# Altium PCB Proyecto_0.PcbDoc (part 2 of 3) (continued)
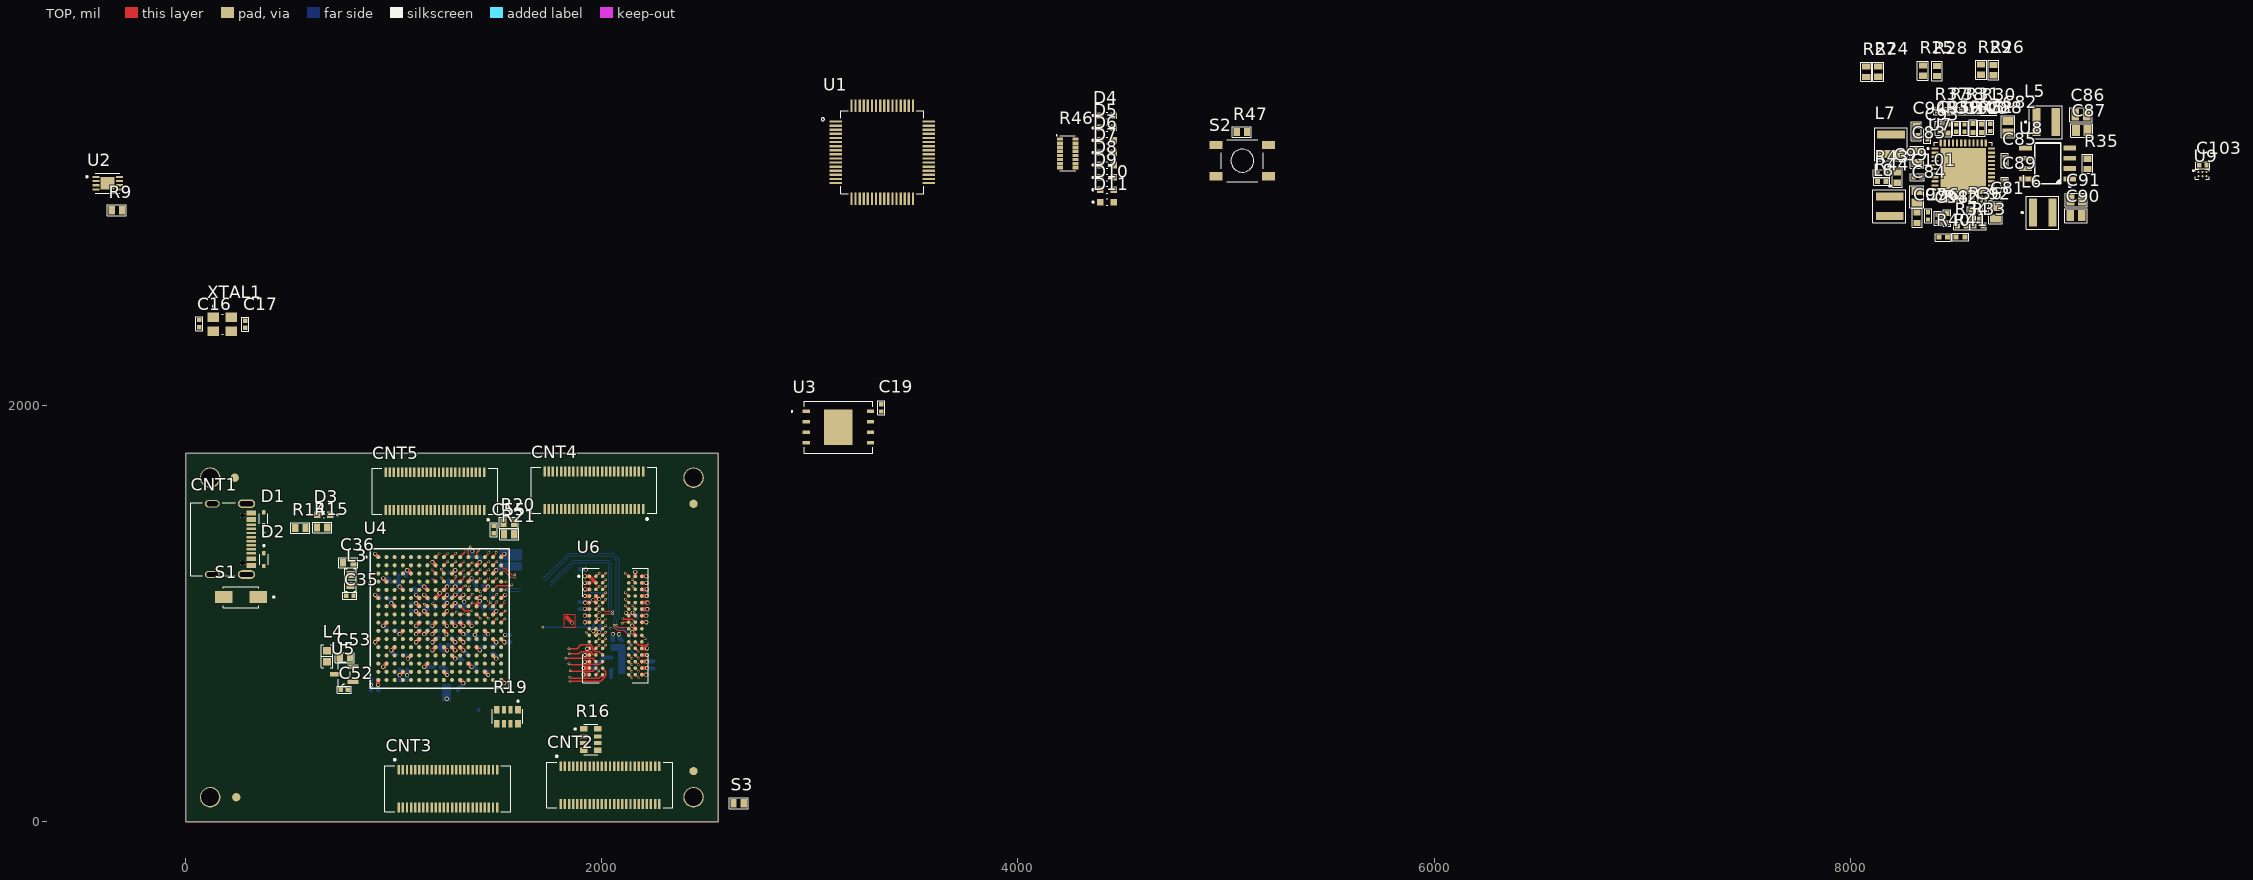
[diagram p0: TOP view]
## Components (designator, comment, footprint, x,y, rotation, side; value= is the part's Value field where it differs from the comment) (continued)
R33 "2.49k" RES0402 8615.72,2862 r0 top
R34 "10k" RES0402 8535.72,2862 r180 top
R35 "47 K" RES0603 9140,3162 r90 top
R36 "10k" RES0402 8580.61,2917.68 r90 top
R37 "12.7k" RES0402 8440.28,3416 r180 top
R38 "10.2k" RES0402 8513.72,3416 r0 top
R39 "10k" RES0402 8469,3332 r270 top
R40 "6.65k" RES0402 8447,2809 r180 top
R41 "10k" RES0402 8530,2810 r0 top
R42 "10k" RES0402 8464,2901.96 r90 top
R43 "4.99k" RES0402 8150.61,3116 r0 top
R44 "1.91k" RES0402 8151.72,3077 r0 top
R45 "31.6k" RES0402 8589,3334 r270 top
R46 "330" ArrayResistor-1506 4240,3212 r0 top value="330 Ohms"
R47 "10 K" RES0603 5076,3315 r180 top
R48 "240" RES0603 2282.39,847 r0 bottom
S1 "SK34A" "Diode SMA-2" 266,1079.97 r180 top
S2 "PTS526 SK15 SMTR2 LFS" "Push Button" 5078,3177 r0 top
S3 "PTSLR06038V050" PTSLR0603 2657.9,89.39 r0 top
U1 "FT2232HL" LQPF-64 3347.59,3217.36 r0 top
U2 "93C56B" DFN-8 -374.58,3069 r0 top
U3 "W25N04KVZEIR" WSON-8 3137,1897 r0 top
U4 "XC7A35TFTG256" BGA-256 1221.16,976.72 r0 top
U5 "REF3012" SOT23-3 762,709 r180 top
U6 "AS4C256M16D3LC" FBGA-96 2066.51,943.26 r0 top
U7 "ADP5052" LFCSP-48 8543,3127 r0 top
U8 "FDS8949" SOIC8 8949,3164 r180 top
U9 "BD2204GUL" "UFBGA-6 (VCSP50L1)" 9692.55,3112.56 r0 top
XTAL1 "12 MHz" XTAL_ABM8G 176.97,2391 r0 top

## Footprints (in the part's own frame and the unit in brackets; to place one, negate y for a bottom-side part, rotate by r counter-clockwise, add the part's x,y. Pads: shape width x height; smd on the part's side, far side on the other; paste and mask are expansions set on the pad)
0603_LED [mm] "Led 0805"
  rect 0.8x0.8 smd: A(-0.8,0) C(0.8,0)
  silkscreen extent -1.8,-0.4 0.08,0.4, body extent -0.8,-0.4 0.8,0.4, height 0.8
528850574 [mm] "Connector 50 pins"
  rect 0.3x1.2 smd: 1(-6,2.3) 2(-5.5,2.3) 3(-5,2.3) 4(-4.5,2.3) 5(-4,2.3) 6(-3.5,2.3) 7(-3,2.3) 8(-2.5,2.3) 9(-2,2.3) 10(-1.5,2.3) 11(-1,2.3) 12(-0.5,2.3) 13(0,2.3) 14(0.5,2.3) 15(1,2.3) 16(1.5,2.3) 17(2,2.3) 18(2.5,2.3) 19(3,2.3) 20(3.5,2.3) 21(4,2.3) 22(4.5,2.3) 23(5,2.3) 24(5.5,2.3) 25(6,2.3) 26(6,-2.3) 27(5.5,-2.3) 28(5,-2.3) 29(4.5,-2.3) 30(4,-2.3) 31(3.5,-2.3) 32(3,-2.3) 33(2.5,-2.3) 34(2,-2.3) 35(1.5,-2.3) 36(1,-2.3) 37(0.5,-2.3) 38(0,-2.3) 39(-0.5,-2.3) 40(-1,-2.3) 41(-1.5,-2.3) 42(-2,-2.3) 43(-2.5,-2.3) 44(-3,-2.3) 45(-3.5,-2.3) 46(-4,-2.3) 47(-4.5,-2.3) 48(-5,-2.3) 49(-5.5,-2.3) 50(-6,-2.3)
  silkscreen extent -7.7,-2.8 7.67,3.61, body extent -7.55,-2.65 7.55,2.65, height 2.1
ArrayResistor-1206 [mm]
  rect 0.93x0.68 smd: 1(-0.895,1.275) 4(-0.895,-1.325) 5(0.845,-1.325) 8(0.845,1.275)
  rect 0.93x0.48 smd: 2(-0.895,0.375) 3(-0.895,-0.425) 6(0.845,-0.425) 7(0.845,0.375)
  silkscreen extent -2.03,-1.88 0.85,1.83, body extent -0.83,-1.63 0.77,1.57, height 0.6
ArrayResistor-1506 [mm]
  rect 0.75x0.4 smd: 1(-0.95,1.75) 2(-0.95,1.25) 3(-0.95,0.75) 4(-0.95,0.25) 5(-0.95,-0.25) 6(-0.95,-0.75) 7(-0.95,-1.25) 8(-0.95,-1.75) 9(0.95,-1.75) 10(0.95,-1.25) 11(0.95,-0.75) 12(0.95,-0.25) 13(0.95,0.25) 14(0.95,0.75) 15(0.95,1.25) 16(0.95,1.75)
  silkscreen extent -1.42,-2.13 0.93,2.26, body extent -0.8,-1.9 0.8,1.9, height 0.55
BGA-256 [mm] "BGA-256"
  round 0.5 smd: A1(-7.5,7.5) A2(-6.5,7.5) A3(-5.5,7.5) A4(-4.5,7.5) A5(-3.5,7.5) A6(-2.5,7.5) A7(-1.5,7.5) A8(-0.5,7.5) A9(0.5,7.5) A10(1.5,7.5) A11(2.5,7.5) A12(3.5,7.5) A13(4.5,7.5) A14(5.5,7.5) A15(6.5,7.5) A16(7.5,7.5) B1(-7.5,6.5) B2(-6.5,6.5) B3(-5.5,6.5) B4(-4.5,6.5) B5(-3.5,6.5) B6(-2.5,6.5) B7(-1.5,6.5) B8(-0.5,6.5) B9(0.5,6.5) B10(1.5,6.5) B11(2.5,6.5) B12(3.5,6.5) B13(4.5,6.5) B14(5.5,6.5) B15(6.5,6.5) B16(7.5,6.5) C1(-7.5,5.5) C2(-6.5,5.5) C3(-5.5,5.5) C4(-4.5,5.5) C5(-3.5,5.5) C6(-2.5,5.5) C7(-1.5,5.5) C8(-0.5,5.5) C9(0.5,5.5) C10(1.5,5.5) C11(2.5,5.5) C12(3.5,5.5) C13(4.5,5.5) C14(5.5,5.5) C15(6.5,5.5) C16(7.5,5.5) D1(-7.5,4.5) D2(-6.5,4.5) D3(-5.5,4.5) D4(-4.5,4.5) D5(-3.5,4.5) D6(-2.5,4.5) D7(-1.5,4.5) D8(-0.5,4.5) D9(0.5,4.5) D10(1.5,4.5) D11(2.5,4.5) D12(3.5,4.5) D13(4.5,4.5) D14(5.5,4.5) D15(6.5,4.5) D16(7.5,4.5) E1(-7.5,3.5) E2(-6.5,3.5) E3(-5.5,3.5) E4(-4.5,3.5) E5(-3.5,3.5) E6(-2.5,3.5) E7(-1.5,3.5) E8(-0.5,3.5) E9(0.5,3.5) E10(1.5,3.5) E11(2.5,3.5) E12(3.5,3.5) E13(4.5,3.5) E14(5.5,3.5) E15(6.5,3.5) E16(7.5,3.5) F1(-7.5,2.5) F2(-6.5,2.5) F3(-5.5,2.5) F4(-4.5,2.5) F5(-3.5,2.5) F6(-2.5,2.5) F7(-1.5,2.5) F8(-0.5,2.5) F9(0.5,2.5) F10(1.5,2.5) F11(2.5,2.5) F12(3.5,2.5) F13(4.5,2.5) F14(5.5,2.5) F15(6.5,2.5) F16(7.5,2.5) G1(-7.5,1.5) G2(-6.5,1.5) G3(-5.5,1.5) G4(-4.5,1.5) G5(-3.5,1.5) G6(-2.5,1.5) G7(-1.5,1.5) G8(-0.5,1.5) G9(0.5,1.5) G10(1.5,1.5) G11(2.5,1.5) G12(3.5,1.5) G13(4.5,1.5) G14(5.5,1.5) G15(6.5,1.5) G16(7.5,1.5) H1(-7.5,0.5) H2(-6.5,0.5) H3(-5.5,0.5) H4(-4.5,0.5) H5(-3.5,0.5) H6(-2.5,0.5) H7(-1.5,0.5) H8(-0.5,0.5) H9(0.5,0.5) H10(1.5,0.5) H11(2.5,0.5) H12(3.5,0.5) H13(4.5,0.5) H14(5.5,0.5) H15(6.5,0.5) H16(7.5,0.5) J1(-7.5,-0.5) J2(-6.5,-0.5) J3(-5.5,-0.5) J4(-4.5,-0.5) J5(-3.5,-0.5) J6(-2.5,-0.5) J7(-1.5,-0.5) J8(-0.5,-0.5) J9(0.5,-0.5) J10(1.5,-0.5) J11(2.5,-0.5) J12(3.5,-0.5) J13(4.5,-0.5) J14(5.5,-0.5) J15(6.5,-0.5) J16(7.5,-0.5) K1(-7.5,-1.5) K2(-6.5,-1.5) K3(-5.5,-1.5) K4(-4.5,-1.5) K5(-3.5,-1.5) K6(-2.5,-1.5) K7(-1.5,-1.5) K8(-0.5,-1.5) K9(0.5,-1.5) K10(1.5,-1.5) K11(2.5,-1.5) K12(3.5,-1.5) K13(4.5,-1.5) K14(5.5,-1.5) K15(6.5,-1.5) K16(7.5,-1.5) L1(-7.5,-2.5) L2(-6.5,-2.5) L3(-5.5,-2.5) L4(-4.5,-2.5) L5(-3.5,-2.5) L6(-2.5,-2.5) L7(-1.5,-2.5) L8(-0.5,-2.5) L9(0.5,-2.5) L10(1.5,-2.5) L11(2.5,-2.5) L12(3.5,-2.5) L13(4.5,-2.5) L14(5.5,-2.5) L15(6.5,-2.5) L16(7.5,-2.5) M1(-7.5,-3.5) M2(-6.5,-3.5) M3(-5.5,-3.5) M4(-4.5,-3.5) M5(-3.5,-3.5) M6(-2.5,-3.5) M7(-1.5,-3.5) M8(-0.5,-3.5) M9(0.5,-3.5) M10(1.5,-3.5) M11(2.5,-3.5) M12(3.5,-3.5) M13(4.5,-3.5) M14(5.5,-3.5) M15(6.5,-3.5) M16(7.5,-3.5) N1(-7.5,-4.5) N2(-6.5,-4.5) N3(-5.5,-4.5) N4(-4.5,-4.5) N5(-3.5,-4.5) N6(-2.5,-4.5) N7(-1.5,-4.5) N8(-0.5,-4.5) N9(0.5,-4.5) N10(1.5,-4.5) N11(2.5,-4.5) N12(3.5,-4.5) N13(4.5,-4.5) N14(5.5,-4.5) N15(6.5,-4.5) N16(7.5,-4.5) P1(-7.5,-5.5) P2(-6.5,-5.5) P3(-5.5,-5.5) P4(-4.5,-5.5) P5(-3.5,-5.5) P6(-2.5,-5.5) P7(-1.5,-5.5) P8(-0.5,-5.5) P9(0.5,-5.5) P10(1.5,-5.5) P11(2.5,-5.5) P12(3.5,-5.5) P13(4.5,-5.5) P14(5.5,-5.5) P15(6.5,-5.5) P16(7.5,-5.5) R1(-7.5,-6.5) R2(-6.5,-6.5) R3(-5.5,-6.5) R4(-4.5,-6.5) R5(-3.5,-6.5) R6(-2.5,-6.5) R7(-1.5,-6.5) R8(-0.5,-6.5) R9(0.5,-6.5) R10(1.5,-6.5) R11(2.5,-6.5) R12(3.5,-6.5) R13(4.5,-6.5) R14(5.5,-6.5) R15(6.5,-6.5) R16(7.5,-6.5) T1(-7.5,-7.5) T2(-6.5,-7.5) T3(-5.5,-7.5) T4(-4.5,-7.5) T5(-3.5,-7.5) T6(-2.5,-7.5) T7(-1.5,-7.5) T8(-0.5,-7.5) T9(0.5,-7.5) T10(1.5,-7.5) T11(2.5,-7.5) T12(3.5,-7.5) T13(4.5,-7.5) T14(5.5,-7.5) T15(6.5,-7.5) T16(7.5,-7.5)
  silkscreen extent -9.1,-8.5 8.5,8.5, body extent -8.51,-8.49 8.49,8.51, height 1.4
CAP0402 [mm]
  rect 0.52x0.52 smd: 1(-0.44,0) 2(0.44,0)
  silkscreen extent -0.86,-0.43 0.86,0.43, body extent -0.5,-0.26 0.5,0.26, height 0.52
CAP0603 [mm]
  rect 0.75x0.9 smd: 1(-0.625,0) 2(0.625,0)
  silkscreen extent -1.17,-0.61 1.17,0.61, body extent -0.8,-0.41 0.8,0.41, height 0.82
CAP0805 [mm]
  rect 0.95x1.35 smd: 1(-0.7,0) 2(0.7,0)
  silkscreen extent -1.35,-0.84 1.35,0.84, body extent -1,-0.64 1,0.64, height 1.27
CAP1206 [mm]
  rect 0.95x1.7 smd: 1(-1.45,0) 2(1.45,0)
  silkscreen extent -2.08,-1.02 2.08,1.02, body extent -1.6,-0.8 1.6,0.8, height 0.8
DFN-8 [mm]
  rect 0.84x0.26 smd: 1(-1.435,0.75) 2(-1.435,0.25) 3(-1.435,-0.25) 4(-1.435,-0.75) 5(1.435,-0.75) 6(1.435,-0.25) 7(1.435,0.25) 8(1.435,0.75)
  rect 1.7x1.525 smd paste-0.312: 5(0,0)
  silkscreen extent -2.63,-1.2 1.5,1.2, body extent -1.52,-1 1.53,1, height 1
"Diode SMA-2" [mm]
  rect 2.12x1.5 smd: A(2.115,0) C(-2.115,0)
  silkscreen extent -4.1,-1.28 2.16,1.28, body extent -2.57,-1.28 2.57,1.28, height 2.5
FBGA-96 [mm]
  round 0.43 smd: A1(-3.2,6) A2(-2.4,6) A3(-1.6,6) A7(1.6,6) A8(2.4,6) A9(3.2,6) B1(-3.2,5.2) B2(-2.4,5.2) B3(-1.6,5.2) B7(1.6,5.2) B8(2.4,5.2) B9(3.2,5.2) C1(-3.2,4.4) C2(-2.4,4.4) C3(-1.6,4.4) C7(1.6,4.4) C8(2.4,4.4) C9(3.2,4.4) D1(-3.2,3.6) D2(-2.4,3.6) D3(-1.6,3.6) D7(1.6,3.6) D8(2.4,3.6) D9(3.2,3.6) E1(-3.2,2.8) E2(-2.4,2.8) E3(-1.6,2.8) E7(1.6,2.8) E8(2.4,2.8) E9(3.2,2.8) F1(-3.2,2) F2(-2.4,2) F3(-1.6,2) F7(1.6,2) F8(2.4,2) F9(3.2,2) G1(-3.2,1.2) G2(-2.4,1.2) G3(-1.6,1.2) G7(1.6,1.2) G8(2.4,1.2) G9(3.2,1.2) H1(-3.2,0.4) H2(-2.4,0.4) H3(-1.6,0.4) H7(1.6,0.4) H8(2.4,0.4) H9(3.2,0.4) J1(-3.2,-0.4) J2(-2.4,-0.4) J3(-1.6,-0.4) J7(1.6,-0.4) J8(2.4,-0.4) J9(3.2,-0.4) K1(-3.2,-1.2) K2(-2.4,-1.2) K3(-1.6,-1.2) K7(1.6,-1.2) K8(2.4,-1.2) K9(3.2,-1.2) L1(-3.2,-2) L2(-2.4,-2) L3(-1.6,-2) L7(1.6,-2) L8(2.4,-2) L9(3.2,-2) M1(-3.2,-2.8) M2(-2.4,-2.8) M3(-1.6,-2.8) M7(1.6,-2.8) M8(2.4,-2.8) M9(3.2,-2.8) N1(-3.2,-3.6) N2(-2.4,-3.6) N3(-1.6,-3.6) N7(1.6,-3.6) N8(2.4,-3.6) N9(3.2,-3.6) P1(-3.2,-4.4) P2(-2.4,-4.4) P3(-1.6,-4.4) P7(1.6,-4.4) P8(2.4,-4.4) P9(3.2,-4.4) R1(-3.2,-5.2) R2(-2.4,-5.2) R3(-1.6,-5.2) R7(1.6,-5.2) R8(2.4,-5.2) R9(3.2,-5.2) T1(-3.2,-6) T2(-2.4,-6) T3(-1.6,-6) T7(1.6,-6) T8(2.4,-6) T9(3.2,-6)
  silkscreen extent -4.6,-7 4,7, body extent -4.5,-7 4.5,7, height 1.08
Fer0603 [mm]
  rect 0.9x1 smd: 1(-0.675,0) 2(0.675,0)
  silkscreen extent -1.4,-0.7 1.4,0.7, body extent -0.8,-0.41 0.8,0.41, height 0.82
IND1616-2.1mm [mm]
  rect 0.98x3.4 smd: 1(-1.185,0) 2(1.185,0)
  silkscreen extent -2.6,-2.06 1.98,1.96, body extent -2.02,-2.04 1.97,1.94, height 2.08
IND1616-3.1mm [mm]
  rect 0.98x3.4 smd: 1(-1.185,0) 2(1.185,0)
  silkscreen extent -2.6,-2 2,2, body extent -2,-2 2,2, height 3.04
LFCSP-48 [mm]
  rrect25% 0.86x0.27 smd: 1(-3.435,2.75) 2(-3.435,2.25) 3(-3.435,1.75) 4(-3.435,1.25) 5(-3.435,0.75) 6(-3.435,0.25) 7(-3.435,-0.25) 8(-3.435,-0.75) 9(-3.435,-1.25) 10(-3.435,-1.75) 11(-3.435,-2.25) 12(-3.435,-2.75) 25(3.435,-2.75) 26(3.435,-2.25) 27(3.435,-1.75) 28(3.435,-1.25) 29(3.435,-0.75) 30(3.435,-0.25) 31(3.435,0.25) 32(3.435,0.75) 33(3.435,1.25) 34(3.435,1.75) 35(3.435,2.25) 36(3.435,2.75)
  rrect25% 0.27x0.86 smd: 13(-2.75,-3.435) 14(-2.25,-3.435) 15(-1.75,-3.435) 16(-1.25,-3.435) 17(-0.75,-3.435) 18(-0.25,-3.435) 19(0.25,-3.435) 20(0.75,-3.435) 21(1.25,-3.435) 22(1.75,-3.435) 23(2.25,-3.435) 24(2.75,-3.435) 37(2.75,3.435) 38(2.25,3.435) 39(1.75,3.435) 40(1.25,3.435) 41(0.75,3.435) 42(0.25,3.435) 43(-0.25,3.435) 44(-0.75,3.435) 45(-1.25,3.435) 46(-1.75,3.435) 47(-2.25,3.435) 48(-2.75,3.435)
  rect 5.6x5.6 smd paste-4: 49(0,0)
  silkscreen extent -4.39,-3.55 3.55,3.55, body extent -3.5,-3.5 3.5,3.5, height 0.8
LQPF-64 [mm]
  rrect25% 1.56x0.28 smd: 1(-5.68,3.75) 2(-5.68,3.25) 3(-5.68,2.75) 4(-5.68,2.25) 5(-5.68,1.75) 6(-5.68,1.25) 7(-5.68,0.75) 8(-5.68,0.25) 9(-5.68,-0.25) 10(-5.68,-0.75) 11(-5.68,-1.25) 12(-5.68,-1.75) 13(-5.68,-2.25) 14(-5.68,-2.75) 15(-5.68,-3.25) 16(-5.68,-3.75) 33(5.68,-3.75) 34(5.68,-3.25) 35(5.68,-2.75) 36(5.68,-2.25) 37(5.68,-1.75) 38(5.68,-1.25) 39(5.68,-0.75) 40(5.68,-0.25) 41(5.68,0.25) 42(5.68,0.75) 43(5.68,1.25) 44(5.68,1.75) 45(5.68,2.25) 46(5.68,2.75) 47(5.68,3.25) 48(5.68,3.75)
  rrect25% 0.28x1.56 smd: 17(-3.75,-5.68) 18(-3.25,-5.68) 19(-2.75,-5.68) 20(-2.25,-5.68) 21(-1.75,-5.68) 22(-1.25,-5.68) 23(-0.75,-5.68) 24(-0.25,-5.68) 25(0.25,-5.68) 26(0.75,-5.68) 27(1.25,-5.68) 28(1.75,-5.68) 29(2.25,-5.68) 30(2.75,-5.68) 31(3.25,-5.68) 32(3.75,-5.68) 49(3.75,5.68) 50(3.25,5.68) 51(2.75,5.68) 52(2.25,5.68) 53(1.75,5.68) 54(1.25,5.68) 55(0.75,5.68) 56(0.25,5.68) 57(-0.25,5.68) 58(-0.75,5.68) 59(-1.25,5.68) 60(-1.75,5.68) 61(-2.25,5.68) 62(-2.75,5.68) 63(-3.25,5.68) 64(-3.75,5.68)
  silkscreen extent -7.44,-5.05 5.05,5.05, body extent -6,-6 6,6, height 1.61
PTSLR0603 [mm]
  rect 0.75x1 smd: 1(-0.625,0) 2(0.625,0)
  silkscreen extent -1.17,-0.66 1.17,0.66, body extent -0.8,-0.39 0.8,0.41, height 0.45
"Push Button" [mm]
  rect 1.6x1 smd: 1(-3.2,1.9) 2(3.2,1.9) 3(-3.2,-1.9) 4(3.2,-1.9)
  silkscreen extent -2.55,-2.55 2.55,2.55, body extent -3.2,-2.55 3.2,2.55, height 1.6
RES0402 [mm]
  rect 0.6x0.6 smd: 1(-0.533,0) 2(0.533,0)
  silkscreen extent -0.99,-0.46 0.99,0.46, body extent -0.5,-0.25 0.5,0.25, height 0.35
RES0603 [mm]
  rect 0.75x1 smd: 1(-0.625,0) 2(0.625,0)
  silkscreen extent -1.17,-0.66 1.17,0.66, body extent -0.8,-0.39 0.8,0.41, height 0.45
SOD-523 [mm]
  rrect50% 0.54x0.4 smd: A(0.78,0) K(-0.78,0)
  silkscreen extent -1.8,-0.52 0.63,0.52, body extent -0.8,-0.4 0.8,0.4, height 0.65
SOIC8 [mm]
  rect 1.55x0.6 smd: 1(-2.7,1.905) 2(-2.7,0.635) 3(-2.7,-0.635) 4(-2.7,-1.905) 5(2.7,-1.905) 6(2.7,-0.635) 7(2.7,0.635) 8(2.7,1.905)
  silkscreen extent -2.83,-2.5 1.6,2.88, body extent -3,-2.5 3,2.5, height 1.75
SOT23-3 [mil]
  rect 52x22 smd: 1(-43,37) 2(-43,-37)
  rect 52x20 smd: 3(43,0)
  silkscreen extent -28,-60 28,60, body extent -47,-57 47,57, height 37
"UFBGA-6 (VCSP50L1)" [mm]
  round 0.25 smd mask+0.05: A1(-0.501,0.265) A2(-0.004,0.265) A3(0.494,0.265) B1(-0.501,-0.26) B2(-0.004,-0.26) B3(0.494,-0.26)
  silkscreen extent -1.19,-0.62 0.84,0.62, body extent -0.75,-0.5 0.75,0.5, height 0.54
"USB-C 2.0 24 PINS (16+8 DUMMY)" [mm]
  rect 0.6x1.14 smd: A1_B12(-3.2,4.75) A4_B9(-2.4,4.75) B1_A12(3.2,4.75) B4_A9(2.4,4.75)
  rect 0.3x1.14 smd: A5(-1.25,4.75) A6(-0.25,4.75) A7(0.25,4.75) A8(1.25,4.75) B5(1.75,4.75) B6(0.75,4.75) B7(-0.75,4.75) B8(-1.75,4.75)
  oval 1.05x2.1 hole 0.6 slot 1.7 at 90 deg: SH1(-4.32,4.18) SH2(4.32,4.18)
  oval 0.9x1.8 hole 0.6 slot 1.4 at 90 deg: SH3(-4.32,0) SH4(4.32,0)
  round 0.65 hole 0.65 unplated: ""(-2.89,3.68) ""(2.89,3.68)
  silkscreen extent -4.47,-2.6 4.47,2.81, body extent -4.44,-2.57 4.5,5.03, height 3.25
WSON-8 [mil]
  rect 34x17 smd paste+0 mask+0: 1(-154.5,75) 2(-154.5,25) 3(-154.5,-25) 4(-154.5,-75) 5(154.5,-75) 6(154.5,-25) 7(154.5,25) 8(154.5,75)
  rect 136x171 smd paste+0 mask+0: 9(0,0)
  silkscreen extent -227,-125 164,125, body extent -158,-118 158,118, height 30
XTAL_ABM8G [mm] "XTAL"
  rect 1.4x1.2 smd: 1(-1.1,0.85) 2(-1.1,-0.85) 2(1.1,0.85) 3(1.1,-0.85)
  silkscreen extent -1.2,-1.25 0.08,2.3, body extent -1.63,-1.27 1.57,1.23, height 1

## Part data
C1 C2 C5 C6 C12 C20 C21 C22 C23 C27 C28 C29 C30 C38 C39 C40 C41 C45 C46 C47 C48 C56 C57 C58 C62 C64 C65 C66 C70 C71 C72 C73 C74 C75 C76 C77 C78: library part C0402C474K8RAC, "CAP CER 0.47uF 10V X7R 0402 10%", Manufacturer=Kemet, PartNumber=C0603C474K4RAC, Tolerance=10%, Voltage="10 V", ComponentLink1Description=DataSheet, ComponentLink1URL=https://content.kemet.com/datasheets/KEM_C1002_X7R_SMD.pdf, ComponentLink2Description=DigiKey, ComponentLink2URL=https://www.digikey.com/en/products/filter/ceramic-capacitors/60?s=N4IgTCBcDaIMIAYAsCxyQdiQaQBwCUBBOEAXQF8g, ComponentLink3Description=ProductPage, ComponentLink3URL=https://www.kemet.com/en/us/product/C0805C474K4RACTU.html, Size=0402
C3 C4 C7 C8 C24 C25 C31 C32 C35 C42 C43 C49 C50 C59 C60 C67 C68: library part C0402C475M9PAC, "CAP CER 4.7uF 6.3V X5R 0402 10%", Manufacturer=Kemet, Tolerance=10%, Voltage=16V, ComponentLink1Description=DataSheet, ComponentLink1URL=https://content.kemet.com/datasheets/KEM_C1002_X7R_SMD.pdf, ComponentLink2Description=DigiKey, ComponentLink2URL=https://www.digikey.com/en/products/filter/ceramic-capacitors/60?s=N4IgTCBcDaIMIAYAsCxyQdgKwFsCcADgIYDGIAugL5A, ComponentLink3Description=ProdructPage, ComponentLink3URL=https://www.kemet.com/en/us/search.html?q=C0402C475M9PAC, PartNumber=C0402C475M9PAC, Size=0402
C9: library part C0603C332K5RAC7867, "3.3 uF ±10% 50V Ceramic Capacitor X7R 0603 (1608 Metric)", Voltage=50V, ComponentLink1Description=DataSheet, ComponentLink1URL=https://content.kemet.com/datasheets/KEM_C1002_X7R_SMD.pdf, ComponentLink2Description=DigiKey, ComponentLink2URL=https://www.digikey.com/en/products/detail/kemet/C0603C332K5RAC7867/411085?s=N4IgTCBcDaIMIAYBsCDMdWrAaQKwCUBBOAdgA4kSQBdAXyA, PartNumber=C0603C332K5RAC7867, Size=0603, Variation=10%
C10 C11 C13 C14 C19 C37 C52 C54 C85 C89 C93 C96 C103 C104 C105: library part C0402C104K4RAC, "CAP CER 0.1uF 16V X7R 0402 10%", Manufactuer=Kemet, Tolerance=10%, Voltage=16V, ComponentLink1Description=DataSheet, ComponentLink1URL=https://content.kemet.com/datasheets/KEM_C1002_X7R_SMD.pdf, ComponentLink2Description=DigiKey, ComponentLink2URL=https://www.digikey.com/en/products/filter/ceramic-capacitors/60?s=N4IgTCBcDaIMIAYAsCxwIzINJIEoEE4QBdAXyA, PartNumber=C0402C104K4RAC, Size=0402
C15: library part C0603C104K4RAC7867, "CAP CER 0.1UF 16V X7R 0603", Voltage=50V, ComponentLink1Description=DataSheet, ComponentLink1URL=https://content.kemet.com/datasheets/KEM_C1002_X7R_SMD.pdf, ComponentLink2Description=DigiKey, ComponentLink2URL=https://www.digikey.com/en/products/detail/kemet/C0603C104K4RAC7867/411095, Size=0603
C16 C17: library part C0402C270K5RAC, "CAP CER 27pF 50V X7R 0402 10%", Manufacturer=Kemet, Tolerance=10%, Voltage=50V, ComponentLink1Description=DataSheet, ComponentLink1URL=https://content.kemet.com/datasheets/KEM_C1002_X7R_SMD.pdf, ComponentLink2Description=DigiKey, ComponentLink2URL=https://www.digikey.com/en/products/detail/kemet/C0402C270K5RACTU/18167653?s=N4IgTCBcDaIMIAYAsCxzAdgQaQKwCUBBOEAXQF8g, PartNumber=C0402C270K5RAC, Size=0402
C18 C36: library part C0603C474K4RAC, "CAP CER 0.47uF 16V X7R 0603 10%", Manufacturer=Kemet, Tolerance=10%, Voltage="16 V", ComponentLink1Description=DataSheet, ComponentLink1URL=https://content.kemet.com/datasheets/KEM_C1002_X7R_SMD.pdf, ComponentLink2Description=DigiKey, ComponentLink2URL=https://www.digikey.com/es/products/detail/kemet/C0805C474K4RAC7800/2212885?s=N4IgTCBcDaIMIAYAcCCscAsB2DBpDASgIJwAqAqiALoC%2BQA, ComponentLink3Description=ProductPage, ComponentLink3URL=https://www.kemet.com/en/us/product/C0805C474K4RACTU.html, PartNumber=C0603C474K4RAC, Size=0603
C26 C33 C34 C44 C51 C63 C69 C86 C87 C90 C91: library part CL21A476MQYNNNE, "CAP CER 47uF 6.3V X5R 0805 20%", Manufacturer=Samsung, Tolerance=20%, Voltage=6.3V, ComponentLink1Description=DataSheet, ComponentLink1URL=https://mm.digikey.com/Volume0/opasdata/d220001/medias/docus/658/CL21A476MQYNNNE_Spec.pdf, ComponentLink2Description=DigiKey, ComponentLink2URL=https://www.digikey.com/en/products/detail/samsung-electro-mechanics/CL21A476MQYNNNE/3887510, PartNumber=CL21A476MQYNNNE, Size=0805
C53 C99: library part C0603C106M9PAC7867, "CAP CER 10UF 6.3V X5R 0603", Voltage=6.3V, ComponentLink1Description=DataSheet, ComponentLink1URL=https://content.kemet.com/datasheets/KEM_C1006_X5R_SMD.pdf, ComponentLink2Description=DigiKey, ComponentLink2URL=https://www.digikey.com/en/products/detail/kemet/C0603C106M9PAC7867/1950664, Size=0603
C55: library part C0402C102K4RAC, "CAP CER 1nF 16V X7R 0402 10%", Manufactuer=Kemet, Tolerance=10%, Voltage=16V, ComponentLink1Description=DataSheet, ComponentLink1URL=https://content.kemet.com/datasheets/KEM_C1002_X7R_SMD.pdf, ComponentLink2Description=DigiKey, ComponentLink2URL=https://www.digikey.com/en/products/filter/ceramic-capacitors/60?s=N4IgTCBcDaIMIAYAsCxwIyoNJIEoEE4QBdAXyA, PartNumber=C0402C102K4RAC, Size=0402
C61: library part C1206C107M9PAC, "CAP CER 100uF 6.3V X5R 1206 20%", Manufacturer=Kemet, Tolerance=20%, Voltage=6.3V, ComponentLink1Description=DataSheet, ComponentLink1URL=https://www.digikey.com/en/products/detail/kemet/C1206C107M9PAC7210/12700784, ComponentLink2Description=DigiKey, ComponentLink2URL=https://www.digikey.com/en/products/detail/kemet/C1206C107M9PAC7210/12700784, PartNumber=C1206C107M9PAC, Size=1206
C79 C100 C101 C102: library part C0402C105K4RAC, "CAP CER 1uF 16V X7R 0402 10%", Manufacturer=Kemet, Tolerance=10%, Voltage=16V, ComponentLink1Description=DataSheet, ComponentLink1URL=https://content.kemet.com/datasheets/KEM_C1002_X7R_SMD.pdf, ComponentLink2Description=DigiKey, ComponentLink2URL=https://www.digikey.com/en/products/detail/kemet/C0402C105K4RAC7867/22058709?s=N4IgTCBcDaIMIAYAsCxwIwIKwGkkCUBBOEAXQF8g, PartNumber=C0402C105K4RAC, Size=0402
C80: library part C0402C103K4RAC, "CAP CER 10nF 16V X7R 0402 10%", Manufactuer=Kemet, Tolerance=10%, Voltage=16V, ComponentLink1Description=DataSheet, ComponentLink1URL=https://content.kemet.com/datasheets/KEM_C1002_X7R_SMD.pdf, ComponentLink2Description=DigiKey, ComponentLink2URL=https://www.digikey.com/en/products/filter/ceramic-capacitors/60?s=N4IgTCBcDaIMIAYAsCxwIwIMwGkkCUBBOEAXQF8g, PartNumber=C0402C103K4RAC, Size=0402
C81 C82 C83 C84: library part C0805C106M3PACTU, "CAP CER 10UF 25V X5R 0805 10%", Manufacturer=Kemet, Tolerance=10%, Voltage=25V, ComponentLink1Description=DataSheet, ComponentLink1URL=https://content.kemet.com/datasheets/KEM_C1006_X5R_SMD.pdf, ComponentLink2Description=DigiKey, ComponentLink2URL=https://www.digikey.com/en/products/detail/kemet/C0805C106M3PACTU/5267534, PartNumber=C0805C106M3PACTU, Size=0805
C88 C92 C95 C98: library part C0402C272K5RAC, "CAP CER 2.7nF 50V X7R 0402 10%", Manufacturer=Kemet, Tolerance=10%, Voltage=50V, ComponentLink1Description=DataSheet, ComponentLink1URL=https://content.kemet.com/datasheets/KEM_C1002_X7R_SMD.pdf, ComponentLink2Description=DigiKey, ComponentLink2URL=https://www.digikey.com/en/products/filter/ceramic-capacitors/60?s=N4IgTCBcDaIMIAYAsCxzAdjAaQKwCUBBOEAXQF8g, PartNumber=C0402C272K5RAC, Size=0402
C94 C97: library part GRM188R60J226MEA0D, "CAP CER 22UF 6.3V X5R 0603", Voltage=6.3V, ComponentLink1Description=DataSheet, ComponentLink1URL=https://search.murata.co.jp/Ceramy/image/img/A01X/G101/ENG/GRM188R60J226MEA0-01.pdf, ComponentLink2Description=DigiKey, ComponentLink2URL=https://www.digikey.com/en/products/detail/murata-electronics/GRM188R60J226MEA0D/4280542, Size=0603
CNT1: "CONN USB2.0, TYP C, 24 PINS (16+8 DUMMY), SMD, RIGHT ANGLE", ComponentLink1Description=DigiKey, ComponentLink1URL=https://www.digikey.com/en/products/detail/amphenol-cs-commercial-products/12402012E212A/13683192, ComponentLink2Description=DataSheet, ComponentLink2URL=https://mm.digikey.com/Volume0/opasdata/d220001/medias/docus/2614/C12402012-4.pdf, Pins="24 (16+8 DUMMY)", Type="C 2.0"
CNT2 CNT3 CNT4 CNT5: "CONN RCPT 50POS SMD GOLD", Manufacturer=Molex, ComponentLink1Description=DigiKey, ComponentLink1URL=https://www.digikey.com/es/products/detail/molex/0528850574/3197085?s=N4IgTCBcDaIAQFYwA5kIAwIOwBYQF0BfIA, ComponentLink2Description=DataSheet, ComponentLink2URL=https://www.molex.com/en-us/products/part-detail/528850574?display=pdf, Gender=Female, PinCount=50
D1 D2: "0.9pF 3.6V ±30kV ESD protection diode with 6.8V 16A TLP clamping for USB 2.0", Manufacturer="Texas Instruments", Package=SOD-523, ComponentLink1Description=ProductPage, ComponentLink1URL=https://www.ti.com/product/ESD321, ComponentLink2Description=DataSheet, ComponentLink2URL=https://www.ti.com/lit/ds/symlink/esd321.pdf?ts=1717079562669&ref_url=https%253A%252F%252Fwww.ti.com%252Fproduct%252FESD321%253FkeyMatch%253DESD321%2526tisearch%253Dsearch-everything%2526usecase%253DGPN-ALT, ComponentLink3Description=DigyKey, ComponentLink3URL=https://www.digikey.com/en/products/detail/texas-instruments/ESD321DYAR/17394968, PartNumber=ESD321
D3 D4 D5 D6 D7 D8 D9 D10 D11: library part LED_BLUE_0603, "LED blue diffused 0603 SMD", Colour=Blue, ComponentLink1Description=DataSheet, ComponentLink1URL=https://www.we-online.com/components/products/datasheet/150060BS55040.pdf, ComponentLink2Description=DigiKey, ComponentLink2URL=https://www.digikey.com/es/products/detail/w%C3%BCrth-elektronik/150060BS55040/8557178?s=N4IgTCBcDaIDoBcCMBWADGgbGgQgZRXQBY0QBdAXyA, Size=0603
L1 L2 L3 L4: "FERRITE BEAD 650 OHM 0603 1LN 0603", Current="300 mA", ComponentLink1Description=DataSheet, ComponentLink1URL=https://www.laird.com/sites/default/files/hz0603c651r-10-datasheet.pdf, ComponentLink2Description=DigiKey, ComponentLink2URL=https://www.digikey.com/es/products/detail/laird-signal-integrity-products/HZ0603C651R-10/806620?s=N4IgTCBcDaIBIC0AMA2JBmAwigrARgCUBaPJEAXQF8g, DCR="0.6 Ohm", PartNumber=HZ0603C651R-10, Size=0603, Z@100MHz="650 Ohms"
L5 L8: library part XFL4020-332, "FIXED IND 3.3UH 5.2A 38.3MOHM SM", ComponentLink1Description=DigiKey, ComponentLink1URL=https://www.digikey.com/en/products/detail/coilcraft/XFL4020-332MEC/21381630?s=N4IgTCBcDaIBoDEAyAWADGNBaAzDiAugL5A, ComponentLink2Description=DataSheet, ComponentLink2URL=https://www.coilcraft.com/getmedia/50632d43-da1b-4cdb-8ab4-3029cab51df3/xfl4020.pdf, Size=1616
L6: library part XFL4020-152, "FIXED IND 1.5UH 9.1A 15.8MOHM SM", ComponentLink1Description=DigiKey, ComponentLink1URL=https://www.digikey.at/en/products/detail/coilcraft/XFL4020-152MEC/21387736, ComponentLink2Description=DataSheet, ComponentLink2URL=https://www.coilcraft.com/getmedia/50632d43-da1b-4cdb-8ab4-3029cab51df3/xfl4020.pdf, Size=1616
L7: library part XAL4030-682MEC, "FIXED IND 6.8UH 3.9A 74.1MOHM SM", ComponentLink1Description=DigiKey, ComponentLink1URL=https://www.digikey.com/en/products/detail/coilcraft/XAL4030-682MEC/21381592, ComponentLink2Description=DataSheet, ComponentLink2URL=https://www.coilcraft.com/en-us/files/datasheet/XAL40xx, Size=1616
R1 R2: library part CRCW06035K10FKEA, "RES SMD 5.1K OHM 1% 1/10W 0603", ComponentLink1Description=DataSheet, ComponentLink1URL=https://www.vishay.com/docs/20035/dcrcwe3.pdf, ComponentLink2Description=DigiKey, ComponentLink2URL=https://www.digikey.com/es/products/detail/vishay-dale/crcw06035k10fkea/1174748, Size=0603
R3 R4 R5 R6 R10 R28 R29 R47: library part CRCW060310K0FKEA, "RES SMD 10K OHM 1% 1/10W 0603", ComponentLink1Description=DataSheet, ComponentLink1URL=https://www.vishay.com/docs/20035/dcrcwe3.pdf, ComponentLink2Description=DigiKey, ComponentLink2URL=https://www.digikey.com/en/products/detail/vishay-dale/CRCW060310K0FKEA/1174782, Size=0603
R7: library part CRCW060312K0FKEA, "RES SMD 12K OHM 1% 1/10W 0603", ComponentLink1Description=DataSheet, ComponentLink1URL=https://www.vishay.com/docs/20035/dcrcwe3.pdf, ComponentLink2Description=DigiKey, ComponentLink2URL=https://www.digikey.com/en/products/detail/vishay-dale/CRCW060312K0FKEA/1174790, Size=0603
R8 R11 R12 R13 R17 R18: library part CRCW06034K70FKEA, "RES SMD 4.7K OHM 1% 1/10W 0603", Manufacturer=Vishay, Power="1/10 W", ComponentLink1Description=DataSheet, ComponentLink1URL=https://www.vishay.com/docs/20035/dcrcwe3.pdf, ComponentLink2Description=DigiKey, ComponentLink2URL=https://www.digikey.com/en/products/detail/vishay-dale/CRCW06034K70FKEA/1174744, Size=0603
R9: library part CRCW06032K00FKEA, "RES SMD 2K OHM 1% 1/10W 0603", Manufacturer=Vishay, Power="0.1 W", ComponentLink1Description=DataSheet, ComponentLink1URL=https://www.vishay.com/docs/20035/dcrcwe3.pdf, ComponentLink2Description=DigiKey, ComponentLink2URL=https://www.digikey.com/en/products/detail/vishay-dale/CRCW06032K00FKEA/1174700, PartNumber=CRCW06032K00FKEA, Size=0603
R14: library part CRCW0603200RFKEA, "RES SMD 200 OHM 1% 1/10W 0603", Manufacturer=Vishay, Power="0.1 W", Tolerance=1%, ComponentLink1Description=DataSheet, ComponentLink1URL=https://www.vishay.com/docs/20035/dcrcwe3.pdf, ComponentLink2Description=DigiKey, ComponentLink2URL=https://www.digikey.com/es/products/detail/vishay-dale/CRCW0603200RFKEA/1174586?s=N4IgTCBcDaIMICU4HUAMA2VBmMrUIDEBpAUQEEQBdAXyA, PartNumber=CRCW0603200RFKEA, Size=0603
R15: library part CRCW0603165RFKEA, "RES SMD 165 OHM 1% 1/10W 0603", Manufacturer=Vishay, Power="0.1 W", ComponentLink1Description=DataSheet, ComponentLink1URL=https://www.vishay.com/docs/20035/dcrcwe3.pdf, ComponentLink2Description=DigiKey, ComponentLink2URL=https://www.digikey.com/es/products/detail/vishay-dale/CRCW0603165RFKEA/1174577?s=N4IgTCBcDaIMICU4HUAMA2VBmAjOgrAgGIDSAogIIgC6AvkA, Size=0603
R16 R19: library part EXB-38V101JV, "RES ARRAY 4 RES 100 OHM 1206", ComponentLink1Description=DigiKey, ComponentLink1URL=https://www.digikey.com/en/products/detail/panasonic-electronic-components/EXB-38V101JV/256519?s=N4IgTCBcDaIKIA0BCBaAzADgGoEYAMOAUliALoC%2BQA, ComponentLink2Description=DataSheet, ComponentLink2URL=https://industrial.panasonic.com/cdbs/www-data/pdf/AOC0000/AOC0000C14.pdf, Elements=4, Size=1206
R20 R21: library part CRCW060378R7FKEA, "RES SMD 78.7 OHM 1% 1/10W 0603", Manufacturer=Vishay, Power="0.1 W", Tolerance="1 %", ComponentLink1Description=DataSheet, ComponentLink1URL=https://www.vishay.com/docs/20035/dcrcwe3.pdf, ComponentLink2Description=DigiKey, ComponentLink2URL=https://www.digikey.com/es/products/detail/vishay-dale/CRCW060378R7FKEA/1174542, Size=0603
R22 R23 R25: library part CRCW06031K00FKEA, "RES SMD 1K OHM 1% 1/10W 0603", ComponentLink1Description=DigiKey, ComponentLink1URL=https://www.digikey.com/es/products/detail/vishay-dale/CRCW06031K00FKEA/1174668, ComponentLink2Description=DataSheet, ComponentLink2URL=https://www.vishay.com/docs/20035/dcrcwe3.pdf, Size=0603
R24: library part CRCW06036K65FKEA, "RES SMD 6.65K OHM 1% 1/10W 0603", ComponentLink1Description=DataSheet, ComponentLink1URL=https://www.vishay.com/docs/20035/dcrcwe3.pdf, ComponentLink2Description=DigiKey, ComponentLink2URL=https://www.digikey.com/en/products/detail/vishay-dale/CRCW06036K65FKEA/1174762, Size=0603
R26: library part CRCW06039K31FKEA, "RES SMD 9.31K OHM 1% 1/10W 0603", ComponentLink1Description=DataSheet, ComponentLink1URL=https://www.vishay.com/docs/20035/dcrcwe3.pdf, ComponentLink2Description=DigiKey, ComponentLink2URL=https://www.digikey.com/es/products/detail/vishay-dale/CRCW06039K31FKEA/1174779, Size=0603
R27: library part CRCW060312K7FKEA, "RES SMD 12.7K OHM 1% 1/10W 0603", ComponentLink1Description=DataSheet, ComponentLink1URL=https://www.vishay.com/docs/20035/dcrcwe3.pdf, ComponentLink2Description=DigiKey, ComponentLink2URL=https://www.digikey.com/en/products/detail/vishay-dale/CRCW060312K7FKEA/1174793, Size=0603
R30 R45: library part CRCW040231K6FK, "RES SMD 31.6K OHM 1% 0.063W 0402", Manufacturer=Vishay, Power=0.063W, Tolerance=1%, ComponentLink1Description=DataSheet, ComponentLink1URL=https://www.vishay.com/docs/20035/dcrcwe3.pdf, ComponentLink2Description=DigiKey, ComponentLink2URL=https://www.digikey.com/en/products/filter/chip-resistor-surface-mount/52?s=N4IgTCBcDaIMICU4HUAMAWVYDMBGA0gGwBi%20IAugL5A, PartNumber=CRCW040231K6FK, Size=0402
R31 R38: library part CRCW040210K2FK, "RES SMD 10.2K OHM 1% 0.063W 0402", Manufacturer=Vishay, Power=0.063W, Tolerance=1%, ComponentLink1Description=DataSheet, ComponentLink1URL=https://www.vishay.com/docs/20035/dcrcwe3.pdf, ComponentLink2Description=DigiKey, ComponentLink2URL=https://www.digikey.com/en/products/filter/chip-resistor-surface-mount/52?s=N4IgTCBcDaIMICU4HUAMAWVYCMqDSYAYniALoC%20QA, PartNumber=CRCW040210K2FK, Size=0402
R32: library part CRCW040215K0FK, "RES SMD 15K OHM 1% 0.063W 0402", Manufacturer=Vishay, Power=0.063W, Tolerance=1%, ComponentLink1Description=DataSheet, ComponentLink1URL=https://www.vishay.com/docs/20035/dcrcwe3.pdf, ComponentLink2Description=DigiKey, ComponentLink2URL=https://www.digikey.com/en/products/filter/chip-resistor-surface-mount/52?s=N4IgTCBcDaIMICU4HUAMAWVYCMBWA0qgGL4gC6AvkA, PartNumber=CRCW040215K0FK, Size=0402
R33: library part CRCW04022K49FK, "RES SMD 2.49K OHM 1% 0.063W 0402", Manufacturer=Vishay, Power=0.063W, Tolerance=1%, ComponentLink1Description=DataSheet, ComponentLink1URL=https://www.vishay.com/docs/20035/dcrcwe3.pdf, ComponentLink2Description=DigiKey, ComponentLink2URL=https://www.digikey.com/en/products/filter/chip-resistor-surface-mount/52?s=N4IgTCBcDaIMICU4HUAMAWVYwGl0E4AxHEAXQF8g, PartNumber=CRCW04022K49FK, Size=0402
R34 R36 R39 R41 R42: library part CRCW040210K0FK, "RES SMD 10K OHM 1% 0.063W 0402", Manufacturer=Vishay, Power=0.063W, Tolerance=1%, ComponentLink1Description=DataSheet, ComponentLink1URL=https://www.vishay.com/docs/20035/dcrcwe3.pdf, ComponentLink2Description=DigiKey, ComponentLink2URL=https://www.digikey.com/en/products/filter/chip-resistor-surface-mount/52?s=N4IgTCBcDaIMICU4HUAMAWVYCMqDSqAYniALoC%20QA, PartNumber=CRCW040210K0FK, Size=0402
R35: library part CRCW060347K0FKEA, "RES SMD 47K OHM 1% 1/10W 0603", ComponentLink1Description=DataSheet, ComponentLink1URL=https://www.vishay.com/docs/20035/dcrcwe3.pdf, ComponentLink2Description=DigiKey, ComponentLink2URL=https://www.digikey.com/es/products/detail/vishay-dale/CRCW060347K0FKEA/1174858, Size=0603
R37: library part CRCW040212K7FK, "RES SMD 12.7K OHM 1% 0.063W 0402", Manufacturer=Vishay, PartNumber=CRCW060312K7FK, Power=0.063W, Tolerance=1%, ComponentLink1Description=DataSheet, ComponentLink1URL=https://www.vishay.com/docs/20035/dcrcwe3.pdf, ComponentLink2Description=DigiKey, ComponentLink2URL=https://www.digikey.com/en/products/filter/chip-resistor-surface-mount/52?s=N4IgTCBcDaIMICU4HUAMAWVYCMYDSA7AGJ4gC6AvkA, Size=0402
R40: library part CRCW04026K65FK, "RES SMD 6.65K OHM 1% 0.063W 0402", Manufacturer=Vishay, Power=0.063W, Tolerance=1%, ComponentLink1Description=DataSheet, ComponentLink1URL=https://www.vishay.com/docs/20035/dcrcwe3.pdf, ComponentLink2Description=DigiKey, ComponentLink2URL=https://www.digikey.com/en/products/filter/chip-resistor-surface-mount/52?s=N4IgTCBcDaIMICU4HUAMAWVYBsBpbArAGK4gC6AvkA, PartNumber=CRCW04026K65FK, Size=0402
R43: library part CRCW04024K99FK, "RES SMD 4.99K OHM 1% 0.063W 0402", Manufacturer=Vishay, Power=0.063W, Tolerance=1%, ComponentLink1Description=DataSheet, ComponentLink1URL=https://www.vishay.com/docs/20035/dcrcwe3.pdf, ComponentLink2Description=DigiKey, ComponentLink2URL=https://www.digikey.com/en/products/filter/chip-resistor-surface-mount/52?s=N4IgTCBcDaIMICU4HUAMAWVZ0GkCceAYjiALoC%20QA, PartNumber=CRCW04024K99FK, Size=0402
R44: library part CRCW04021K91FK, "RES SMD 1.91K OHM 1% 0.063W 0402", Manufacturer=Vishay, Power=0.063W, Tolerance=1%, ComponentLink1Description=DataSheet, ComponentLink1URL=https://www.vishay.com/docs/20035/dcrcwe3.pdf, ComponentLink2Description=Digikey, ComponentLink2URL=https://www.digikey.com/en/products/filter/chip-resistor-surface-mount/52?s=N4IgTCBcDaIMICU4HUAMAWVYCMBpAnNgGK4gC6AvkA, PartNumber=CRCW04021K91FK, Size=0402
R46: library part EXB-2HV331JV, "RES ARRAY 8 RES 330 OHM 1506", ComponentLink1Description=DigiKey, ComponentLink1URL=https://www.digikey.com/en/products/detail/panasonic-electronic-components/EXB-2HV331JV/285313?s=N4IgTCBcDaIKIA0BCBaMAJAagZmwRgClMQBdAXyA, ComponentLink2Description=DataSheet, ComponentLink2URL=https://industrial.panasonic.com/cdbs/www-data/pdf/AOC0000/AOC0000C14.pdf, Elements=8, Size=1506
R48: library part CRCW0603240RFK, "RES SMD 240 OHM 1% 1/10W 0603", Manufacturer=Vishay, PartNumber=CRCW0603240RFKEA, Power=0.1W, Tolerance=1%, ComponentLink1Description=DataSheet, ComponentLink1URL=https://www.vishay.com/docs/20035/dcrcwe3.pdf, ComponentLink2Description=DigiKey, ComponentLink2URL=https://www.digikey.com/en/products/detail/vishay-dale/CRCW0603240RFKEA/1174595, Size=0603
S1: "Diode schottky 40V 3A", Forward Current=3A, Forward Voltage Drop=0.63, Manufacturer="SMC Diode Solutions", Package=SMA-2, Peak Reverse Voltage=40V, ComponentLink1Description=DigiKey, ComponentLink1URL=https://www.digikey.com/en/products/detail/smc-diode-solutions/SK34A/6022681, ComponentLink2Description=DataSheet, ComponentLink2URL=https://www.smc-diodes.com/propdf/SK34A%20N0103%20REV.C.pdf, PartNumber=SK34A
S2: "SWITCH TACTILE SPST-NO 0.05A 12V", DataSheet=https://www.ckswitches.com/media/2780/pts526.pdf, DigiKey=https://www.digikey.com/es/products/detail/c-k/PTS526-SK15-SMTR2-LFS/10056626
S3: "PTC resettable fuse 500mA, 8V, 0603", Manufacturer=Eaton, MaxCurrent=25A, MaxVoltage=8V, ComponentLink1Description=DataSheet, ComponentLink1URL=https://www.eaton.com/content/dam/eaton/products/electronic-components/resources/data-sheet/eaton-ptslr0603-surface-mount-resettable-fuse-data-sheet-elx1047-en.pdf, ComponentLink2Description=DigiKey, ComponentLink2URL=https://www.digikey.com/es/products/detail/eaton-electronics-division/PTSLR06038V050/15193495?s=N4IgTCBcDaIAoBUDKAZASgBgGwYMwA4A1DAVgxAF0BfIA, Ihold=500mA, Itrip=1A, PartNumber=PTSLR06038V050, Size=0603
U1: "Dual High Speed USB to Multipurpose UART/FIFO IC", Manufacturer="FTDI Chip", Package=LQFP-64, ComponentLink1Description=DataSheet, ComponentLink1URL=https://ftdichip.com/wp-content/uploads/2020/07/DS_FT2232H.pdf, ComponentLink2Description=DigiKey, ComponentLink2URL=https://www.digikey.com/en/products/detail/ftdi-future-technology-devices-international-ltd/FT2232HL-REEL/1986053, PartNumber=FT2232HL
U2: library part EEPROM, "2K Microwire Compatible Serial EEPROM", ComponentLink1Description=DataSheet, ComponentLink1URL=https://www.snapeda.com/parts/93C56BT-I/MC/Microchip/datasheet/
U3: "QSPINAND 4G-BIT FLASH MEMORY WITH DUAL/QUAD SPI BUFFER READ & SEQUENTIAL READ", ComponentLink1Description="Product Brief", ComponentLink1URL=https://www.winbond.com/hq/product/code-storage-flash-memory/qspinand-flash/?__locale=en&partNo=W25N04KV
U4: "FPGA"
U5: "Voltage Reference 1,5V", ComponentLink1Description=DataSheet, ComponentLink1URL=https://www.ti.com/lit/ds/symlink/ref3012.pdf?ts=1708128926119
U6: library part "DDR3 AS4C256M16D3LC", "256M x 16 bit DDR3L Synchronous DRAM (SDRAM)", ComponentLink1Description=DataSheet, ComponentLink1URL=https://www.alliancememory.com/wp-content/uploads/pdf/ddr3/AllianceMemory_4G_DDR3L_AS4C256M16D3LC_March2020_Rev1.0.pdf
U7: "5-Channel Integrated Power Solution with Quad / Buck Regulators and 200 mA LDO Regulator", ComponentLink1Description=DataSheet, ComponentLink1URL=https://www.analog.com/media/en/technical-documentation/data-sheets/adp5052.pdf
U8: "MOSFET 2N-CH 40V 6A 8SOIC"
U9: "Power Supply Selector Switch IC for SD Cards", Manufacturer=ROHM, Package=UFBGA-6, ComponentLink1Description=Productrpage, ComponentLink1URL=https://www.rohm.com/products/power-management/power-management-switch-ics/load-switch-ics/bd2204gul-product, ComponentLink2Description=DataSheet, ComponentLink2URL=https://fscdn.rohm.com/en/products/databook/datasheet/ic/power/power_switch/bd2204gul-e.pdf, ComponentLink3Description=DigiKey, ComponentLink3URL=https://www.digikey.com/en/products/detail/rohm-semiconductor/BD2204GUL-E2/5210337, PartNumber=BD2204GUL
XTAL1: library part XTAL_12MHz, "Crystal 12 MHz", Manufacturer=Abracom, ComponentLink1Description=DataDheet, ComponentLink1URL=https://www.snapeda.com/parts/ABM8G-16.000MHZ-B4Y-T/Abracon/datasheet/, Frequency="12 MHz", Series=ABM8G

## Free pads (board coordinates)
  round 39.37 all layers, no hole paste+0 mask+3.94: F(236.22,1653.54) F(243.54,118.11) F(2440.94,243.54) F(2440.94,1528.11)
  round 98.43 hole 86.61 mask+0: H(118.11,118.11) H(118.11,1653.54) H(2440.94,118.11) H(2440.94,1653.54)

## Via types
v1: diameter 19.68, hole 11.81, TOP to Bottom Layer, 115 vias
v2: diameter 11.81, hole 7.87, TOP to Bottom Layer, 105 vias
v3: diameter 16.93, hole 11.81, TOP to Bottom Layer, 2 vias

## Nets (pads, with @x,y where several pads share a name; then routed paths per layer and width w, separated by ;. In a path a pad name is that pad's centre, name@x,y a point inside that pad or via, vN(x,y) a via of type N, cw(c..) or ccw(c..) an arc to the next point about the centre after c; other vN are vias at no path point)
0V75: C79.2 C80.2 R22.1 R23.2 U6.H1 U6.M8 | length 43.4
  TOP w7: U6.M8@2161,833.02 v2(2176.48,817.54)
  TOP w18: v1(1919,959.02) U6.H1@1940.53,959.01
100MHz: CNT4.43 U4.N14
+1V: C56.2 C57.2 C58.2 C59.2 C60.2 C61.2 C62.2 C63.2 C90.2 C91.2 L6.2 R25.2 R33.2 U4.E10 U4.F7 U4.F9 U4.F11 U4.G6 U4.H9 U4.J6 U4.K9 U4.L8 | length 367.5
  TOP w20: v1(1107.17,1051.25) U4.G6@1122.73,1035.77 ; v1(1107.26,941.46) U4.J6@1122.73,957.03 ; v1@1146.58,1090.62 U4.F7@1162.1,1075.14 ; U4.H9@1240.84,996.45 v1@1256.32,1011.92 ; U4.F9@1240.84,1075.19 v1(1256.32,1090.66) ; U4.K9@1240.89,917.66 1253,905.55 v1(1253,900) ; U4.E10@1280.21,1114.56 v1@1295.69,1130.03 ; U4.F11@1319.58,1075.19 v1(1335.06,1090.71)
  Bottom Layer w20: C59.2@1081,1048 1081.24,1048.24 1104.16,1048.24 v1(1107.17,1051.25) ; v1(1107.26,941.46) 1107.26,946.37 1118.98,958.09 1126.76,958.09 C60.2@1127,958.32 ; v1(1146.54,1090.62) 1149.9,1090.62 1165.76,1074.75 1165.76,1069.24 C57.2@1166,1069 ; v1(1186,862.72) 1198,874.72 1207.04,883.76 1214.76,883.76 C58.2@1215,884 ; v1(1256.32,1090.66) C56.2@1273.32,1073 ; v1(1295.69,1130.08) 1295.69,1139.37 1307.4,1151.09 1321.76,1151.09 C62.2@1322,1151.32
  other v1: 1256.32,1011.97
+1V8: C64.2 C65.2 C66.2 C67.2 C68.2 C69.2 C94.2 C101.2 CNT4.14 CNT4.15 CNT4.33 L7.2 R26.2 R37.2 U4.G10 U4.J10 U4.K11 U4.L10 U7.8 U9.A2 | length 235.9
  TOP w20: U4.G10@1280.21,1035.77 v1(1295.69,1051.34) ; U4.L10@1280.26,878.29 v1@1295.73,862.82 ; U4.J10@1280.26,957.03 v1@1295.73,941.56 ; U4.K11@1319.58,917.66 v1@1335.1,902.19
  Bottom Layer w20: C68.2@1274.32,965 1284.07,965 1295.78,953.28 v1(1295.78,941.56) ; C64.2@1277,887 1277.24,886.76 1277.24,874.53 1288.95,862.82 v1(1295.78,862.82) ; v1(1295.69,1051.34) 1304.44,1042.59 1304.44,1029.24 C66.2@1304.68,1029 ; v1(1335.15,902.19) 1348.98,902.19 1366.44,884.72 1366.44,875.24 C67.2@1366.68,875
+1V8': C35.2 C99.2 L3.1 R43.2 U7.7
+1V8_VCC_ADC: C36.2 C37.2 L3.2 U4.G8 | length 51.8
  TOP w12: v2(1187.36,1048.74) 1198.39,1037.71 1199.54,1037.71 U4.G8@1201.47,1035.77
  Bottom Layer w12: v2(1187.36,1048.74) 1194.09,1042.01 1194.09,1025.24 C37.2@1198.32,1021
+1V25_VREF_ADC: C53.2 C54.2 CNT4.37 U4.J8 U5.2 | length 29
  Bottom Layer w20: C54.2@1164,958.32 1164.24,958.09 1169.42,958.09 v1(1186,941.51)
+1V35: C38.2 C39.2 C40.2 C41.2 C42.2 C43.2 C44.2 C70.2 C71.2 C72.2 C73.2 C74.2 C75.2 C76.2 C77.2 C78.2 C97.2 L8.2 R22.2 R24.2 R40.2 U4.A16 U4.B13 U4.C10 U4.E14 U4.H15 U4.J12 U6.A1 U6.A8 U6.B2 U6.C1 U6.C9 U6.D2 U6.D9 U6.E9 U6.F1 U6.G7 U6.H2 U6.H9 U6.K2 U6.K8 U6.N1 U6.N9 U6.R1 U6.R9 | length 1086.9
  TOP w17: U6.H2@1972.02,959.01 U6.H2@1972.02,960.02
  TOP w18: v1@1912.46,738.54 U6.R1@1940.53,738.54 ; v1(1918.52,1179.48) U6.A1@1940.53,1179.48 U6.B2@1972.02,1147.98 ; v1(1919.01,801.53) U6.N1@1940.53,801.53 ; v1(1919,1023) 1919.32,1022.68 1939.85,1022.68 U6.F1@1940.53,1022 ; v1(1919.49,1116.49) U6.C1@1940.53,1116.49 ; U6.K2@1972.02,896.02 v1(1987,911) ; U6.H2@1972.02,960.02 v1(1987,975) ; U6.D2@1972.02,1084.99 v1(1987.02,1070) ; v1(2116.1,1003.9) U6.G7@2129.5,990.5 ; v1@2145.6,911.42 U6.K8@2161,896.02 ; U6.A8@2161,1179.48 v1(2161.01,1201.01) ; U6.R9@2192.5,738.54 v1(2217.46,738.54) ; U6.N9@2192.5,801.53 v1(2218,801.5) ; U6.H9@2192.5,959.01 v1(2214.02,959) ; U6.E9@2192.5,1053.5 v1@2219.5,1053.5 ; U6.C9@2192.5,1116.49 v1(2216.51,1116.49)
  TOP w20: U4.C10@1280.21,1193.25 v1(1295.69,1208.82) ; U4.J12@1358.95,957.03 v1(1374.52,941.56) ; U4.B13@1398.32,1232.67 v1@1413.8,1248.14 ; U4.E14@1437.69,1114.56 v1@1453.17,1130.03 ; U4.H15@1477.06,996.45 v1@1492.54,1011.92 ; U4.A16@1516.43,1271.99 v1@1531.91,1287.51 ; v1(1912,739) v1@1912.46,738.54 ; v1@2145.6,911.42 v1(2145.6,911.5) ; U6.K8@2161,896.02 U6.K8@2161,896.1 ; U6.D9@2192.5,1084.99 v1(2216.51,1084.99) ; v1@2219.5,1053.5 v1(2220,1053)
  Bottom Layer w18: C77.2@1893,1021.68 1894,1022.68 1918.68,1022.68 v1(1919,1023) ; v1(1987,911) 1987,911.46 1992.09,916.54 1992.09,941.76 C70.2@1993.32,943
  Bottom Layer w20: C43.2@1265,1197.32 1265.24,1197.56 1284.43,1197.56 v1(1295.69,1208.82) ; C39.2@1357.32,966 1362.28,966 1374,954.28 1374,942.08 v1(1374.52,941.56) ; C42.2@1413.32,1274 v1(1413.8,1248.19) ; C40.2@1429.32,1133 1429.56,1132.76 1450.48,1132.76 v1(1453.17,1130.08) ; C38.2@1466,1026 1480.82,1026 1492.54,1014.28 v1(1492.54,1011.97) ; C41.2@1515,1264.32 1515.24,1264.56 1515.24,1270.89 v1(1531.91,1287.56) ; v1(1919.49,1116.49) 1940.53,1116.49 ; C75.2@1941,738.32 1941.24,738.56 1961.56,738.56 2012,789 R22.2@2046.39,789 ; v1(2116.1,1003.9) 2116.1,1003.67 C78.2@2130.28,989.5 ; v1(2145.6,911.5) 2145.6,911.17 C74.2@2162.6,894.17 ; C76.2@2192.5,1113.34 2192.73,1113.57 2214.57,1113.57 v1@2217,1116 ; C71.2@2193,1053.32 2193.24,1053.09 2219.91,1053.09 v1(2220,1053) ; v1(2217.46,738.54) 2219.09,736.91 2246.76,736.91 C72.2@2247,736.68